# Altium PCB SDR_V21.PcbDoc (part 4 of 4)
Units mil, origin at the board's own origin, x right, y up, seen from the top; angles counter-clockwise.
Board outline 6000 x 4000 mil, 6 copper layers (Top Layer, DGND, Mid-Layer 2, Mid-Layer 3, Mid-Layer 4, Bottom Layer); 644 components, 321 nets, 2263 pads, 824 vias.
Unrouted connection lines stored in the file: 1227.
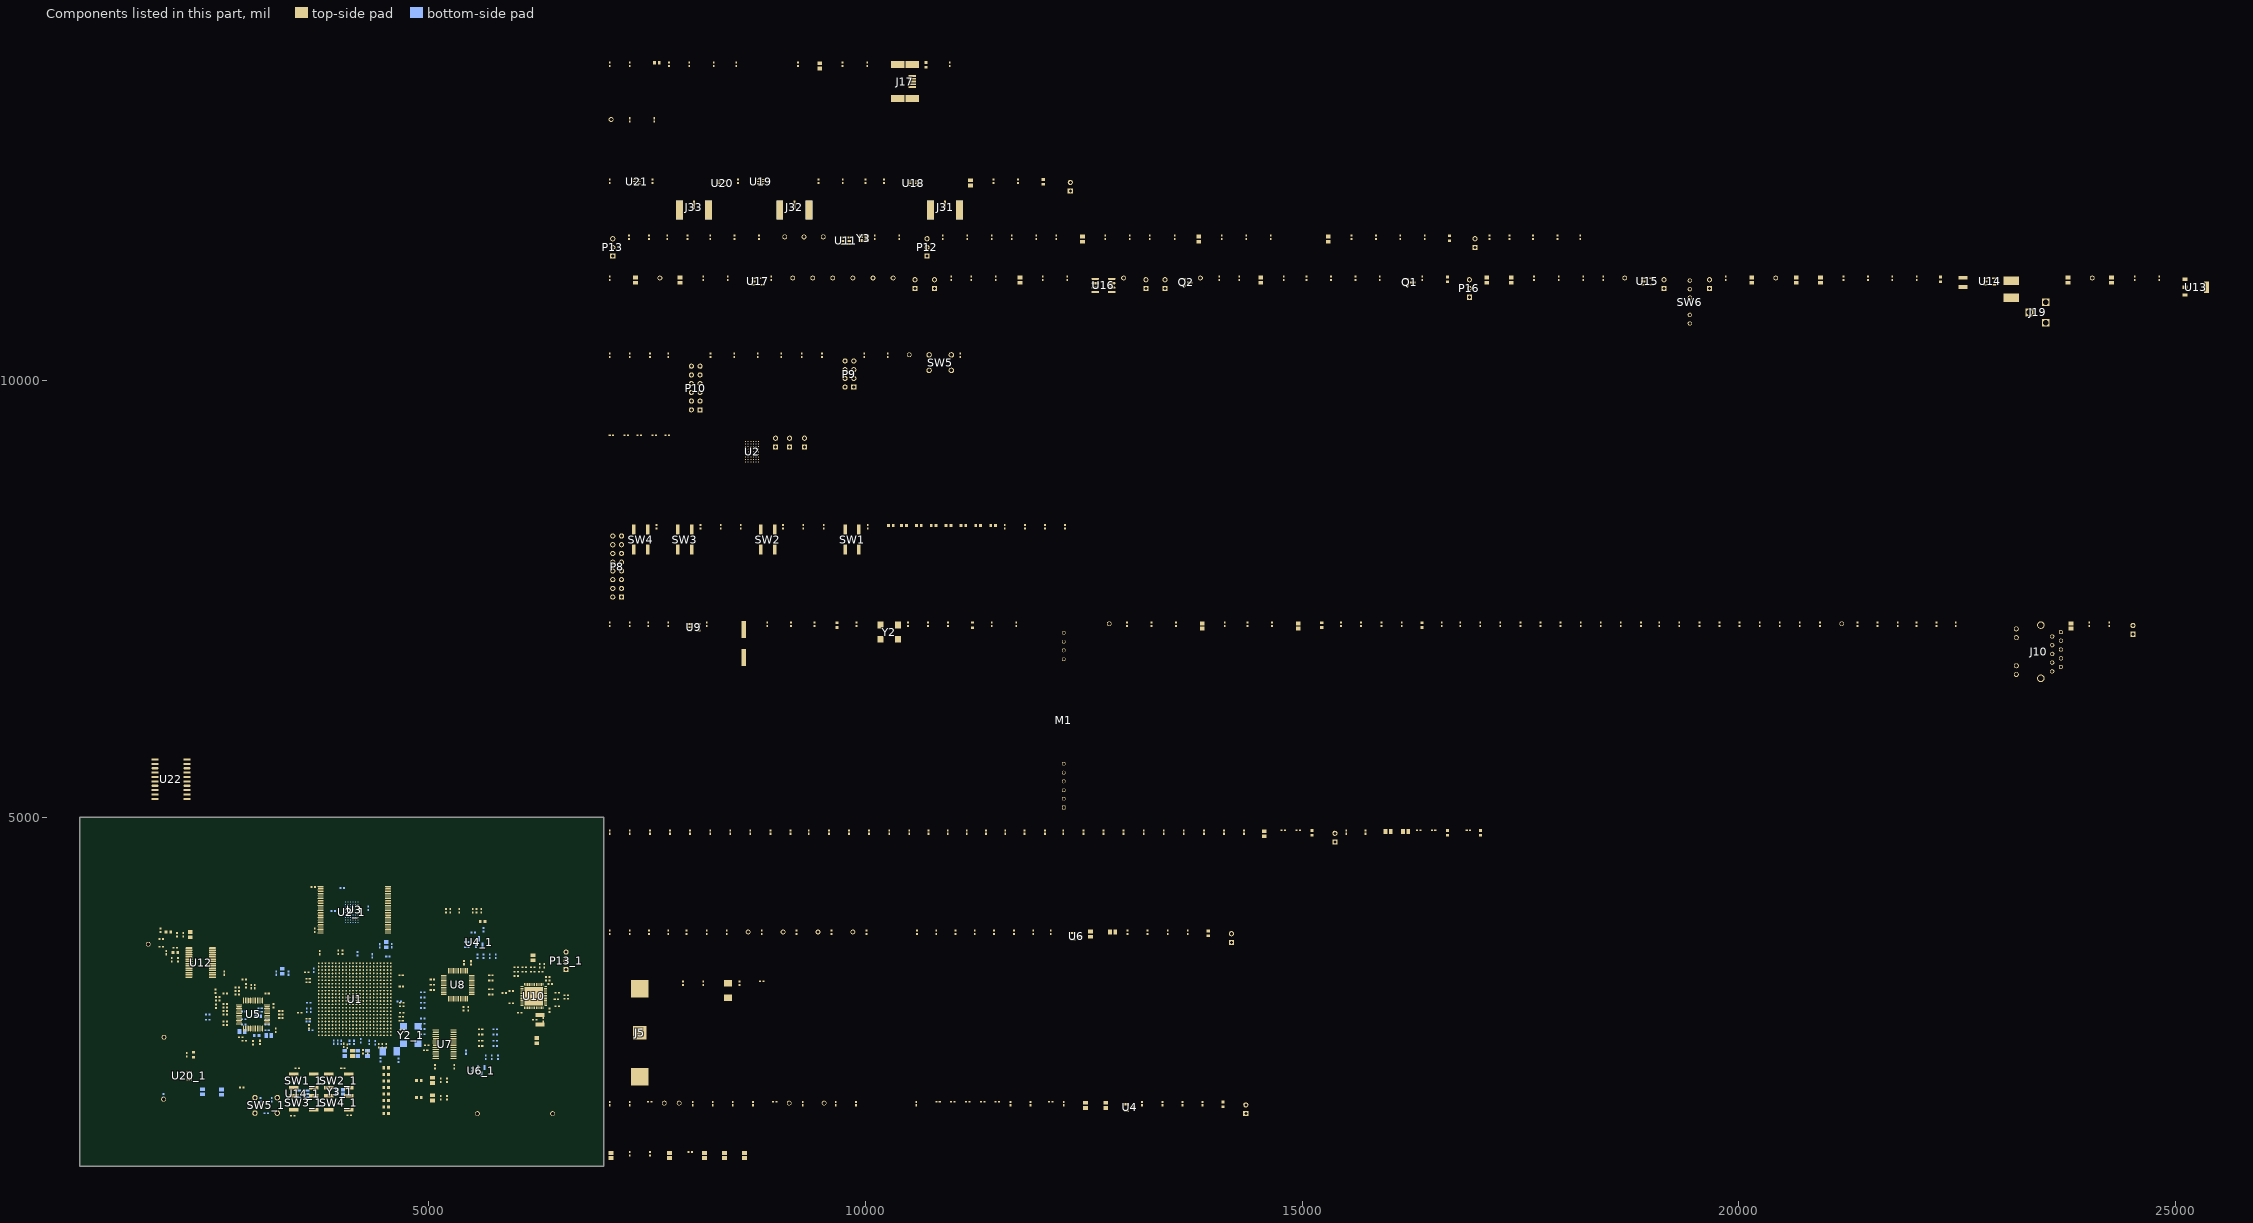
[diagram p8: the components of this part, seen from the top]

## Via types
v1: diameter 16, hole 6, Top Layer to Bottom Layer, 633 vias
v2: diameter 36, hole 20, Top Layer to Bottom Layer, 86 vias
v3: diameter 26, hole 16, Top Layer to Bottom Layer, 62 vias
v4: diameter 20, hole 10, Top Layer to Bottom Layer, 15 vias
v5: diameter 22, hole 12, Top Layer to Bottom Layer, 13 vias
v6: diameter 40, hole 20, Top Layer to Bottom Layer, 9 vias
v7: diameter 150, hole 125, Top Layer to Bottom Layer, 4 vias
v8: diameter 22, hole 10, Top Layer to Bottom Layer, 2 vias

## Nets (pads, with @x,y where several pads share a name; then routed paths per layer and width w, separated by ;. In a path a pad name is that pad's centre, name@x,y a point inside that pad or via, vN(x,y) a via of type N, cw(c..) or ccw(c..) an arc to the next point about the centre after c; other vN are vias at no path point) (continued)
copper on no net: (continued)
  Mid-Layer 2 w5: v1(2515,3115) 2515,2935 2555,2895 4355,2895 4365,2885 4365,2739.37 v1(4425.59,2678.78) ; 2535,3920 2421.5,3806.5 2421.5,2892.34 2438.84,2875 3145,2875 3205,2815 3885,2815 3894.09,2824.09 3894.09,2855.95 v1(3913.78,2875.63) ; 2735,3820 2735,3605 2710,3580 2485,3580 2445,3540 2445,2930 2490,2885 3630,2885 3678.74,2836.26 v1(3795.67,2836.26) ; 2935,3920 2985,3870 2985,3053.74 3103.74,2935 3776.3,2935 v1(3795.67,2954.37) ; v5(2950,2780) 2950,2735 3065,2620 3854.45,2620 v1(3874.41,2600.04) ; v5(2970,2830) 2950,2830 2930,2810 2930,2620 3010,2540 3855.71,2540 v1(3874.41,2521.3) ; v5(3005,2635) 3005,2610 3035,2580 3815.71,2580 v1(3835.04,2560.67) ; 3007.05,1788.58 3007.05,2312.95 2935,2385 2480,2385 2390,2475 2390,3950 2655.5,4215.5 4076.42,4215.5 4076.92,4215 4093.08,4215 4093.58,4215.5 4644.5,4215.5 4659.84,4200.16 v1(4659.84,3930.16) ; v1@3021,2465 v1(3021,2466) ; v5(3060,2845) 3055,2850 2885,2850 2870,2835 2870,2515 2885,2500 3813.74,2500 v1(3835.04,2521.3) ; 3235,3820 3315,3900 3315,3970 3290,3995 2910,3995 2890,3975 2890,3035 3006.13,2918.87 3878.28,2918.87 v1(3913.78,2954.37) ; v1(3247,2635.92) 3247,2646 3285,2684 3566.82,2684 3595.91,2654.91 3820.09,2654.91 3835.04,2639.96 v1(3835.04,2639.41) ; v1(3340,2600) v1(3685,2600) ; v1(3470,3100) 3480,3090 3610,3090 3645,3055 3778.19,3055 v1(3795.67,3072.48) ; v1(3505,3135) 3510,3130 3777.52,3130 v1(3795.67,3111.85) ; v1(3535,3030) 3574.5,2990.5 3716.42,2990.5 3731.92,2975 3855.67,2975 v1(3874.41,2993.74) ; v1(3535,3180) 3545,3170 3816.26,3170 v1(3835.04,3151.22) ; v1(3545,2455) 3490,2400 3490,2210 3515,2185 5580,2185 5610,2215 5610,2805 5585,2830 5460,2830 5435,2855 v1(5435,3030) ; v1(3570,2760) 3572.48,2757.52 v1(3756.3,2757.52) ; v1(3575,3070) 3609.5,3035.5 3626.42,3035.5 3646.92,3015 3777.56,3015 v1(3795.67,3033.11) ; v1(3675,2720) 3688.65,2733.65 3723.35,2733.65 3738.85,2718.15 v1(3756.3,2718.15) ; v1(3756.3,3229.96) 3771.8,3245.46 3771.8,3565 3786.8,3580 3865,3580 3880,3595 v1(3880,3895) 3880,4108.28 3952.22,4180.5 4161.42,4180.5 4200.5,4141.42 4200.5,3958.82 4174.29,3932.61 v1(4174.29,3925) ; v1(3757.52,2680) 3757.52,2692.48 3750,2700 3431.92,2700 3416.42,2715.5 3249.5,2715.5 3100,2865 2870,2865 2820,2815 2820,2520 3410.5,1929.5 5155.5,1929.5 5260,1825 6460,1825 6480,1845 6480,2795 6400,2875 6400,3023.9 v1(6401.1,3025) 6401.1,3258.9 v6(6385,3275) ; v1(3765,2005) 3765,2065 3780,2080 v1(4635,2080) ; v1(3795.67,2757.52) 3927.48,2757.52 3935,2750 3935,2230 3960,2205 5380,2205 5395,2220 v1(5395,2385) ; v1(3795.67,3190.59) 3795.67,3375.67 v1(3815,3395) ; v1(3835,3650) 3824,3661 3824,4149 v1(3840,4165) ; v1(3839.5,4140.5) 3839.5,4098.58 3860,4078.08 v1(3860,3610) ; v1(3874.41,3111.85) 3855,3131.26 3855,3540 3895,3580 3895,3886 3905,3896 v1(3905,3955) 3909.5,3959.5 3909.5,4123.64 3945.86,4160 4106.06,4160 4190.5,4075.56 4190.5,3978.34 4174.76,3962.61 v1(4174.76,3955) ; v1(3875,3505) 3895,3485 3895,3091.26 v1(3913.78,3072.48) ; v1(3915,3630) 3915,3700 ; v1(3915,3850) 3915,3700 ; v1(3925,3990) 3925,4125 3950,4150 4101.92,4150 4165.5,4086.42 4165.5,4073.58 4159.5,4067.58 4159.5,4000.26 v1(4175,3984.76) ; v1(3950.5,3379.5) 3950.5,3229.5 4015,3165 4015,3050 v1(4031.89,3033.11) ; v1(3960,3715) 3990.5,3745.5 3990.5,3830.5 v1(4085,3925) ; v1(4005,3730) 4029.5,3705.5 4311.42,3705.5 4327.42,3689.5 4384.5,3689.5 4395.79,3700.79 v1(4395.79,3890.79) ; v1(4020,2440) 4015,2445 4015,2545 4031.89,2561.89 v1(4031.89,2718.15) ; v1(4052.32,4107.32) 4085,4074.65 v1(4085,4013.82) ; v1(4055,3805) 4063.08,3805 4087.87,3780.21 4299.35,3780.21 4309.14,3790 v1(4320.5,3790) ; v1(4055,3835) 4030,3835 4025,3830 4025,3770 v1(4065,3730) 4077.19,3717.81 4325.27,3717.81 4343.58,3699.5 4356.42,3699.5 4375,3718.08 4375,3900 v1(4385,3910) ; v1(4065.5,2440) 4060,2440 4050,2450 4050,2539.41 v1(4071.26,2560.67) ; v1(4071.26,3229.96) 4090,3248.7 4090,3288 4111,3309 4111,3606 v1(4135,3630) ; v1(4085,3805) 4124.26,3805 4139.05,3790.21 4295.21,3790.21 4320.5,3815.5 v1(4320.5,3816.23) ; v1(4085,3835) 4122.37,3835 4167.87,3880.5 4278.15,3880.5 4336,3822.65 4336,3780.21 4320,3764.21 4320,3760 v1(4325,3755) ; v1(4085,3865) 4138.23,3865 4163.73,3890.5 4282.29,3890.5 4346,3826.79 4346,3719 v1(4350,3715) ; v1@4109,2358 v1(4111,2360) ; v1(4110.63,2600.04) 4149.96,2600.04 4170,2580 4170,2480 v1(4190,2460) ; v1(4110.63,3190.59) 4115.59,3190.59 4140,3215 4140,3385 4139.5,3385.5 4139.5,3577.58 4160,3598.08 4160,3650 4180,3670 4420,3670 4439.5,3689.5 4439.5,4097.58 4439,4098.08 4439,4124 v1(4440,4125) ; v1(4110.63,3229.96) 4110.63,3235.63 4126.13,3251.13 4126.13,3586.13 v1(4130,3590) ; v1(4144.76,3925) 4152.37,3925 4167.87,3909.5 4289.5,3909.5 4330,3950 v1(4385,3950) ; v1(4145,3984.29) 4145,4075 v1(4150,4080) v1@4150,4075 ; v1(4165,3535) 4163.87,3533.87 4163.87,3194.17 4206.82,3151.22 v1(4228.74,3151.22) ; v1(4165,3560) 4149.5,3544.5 4149.5,3520.8 4153.87,3516.43 4153.87,3190.03 4208.18,3135.72 4235.16,3135.72 4250.66,3151.22 v1(4268.11,3151.22) ; v1(4189.37,3190.59) 4173.87,3206.09 4173.87,3386.13 4180.5,3392.76 4180.5,3587.58 4179.5,3588.58 4179.5,3639.5 4199.5,3659.5 4454.5,3659.5 v1(4454.5,4104.5) ; v1(4189.37,3229.96) 4204.87,3245.46 4204.87,3295.13 4200,3300 v1@4200,3590 ; v1@4213.24,3633.24 4213.24,3324.2 v1(4228.74,3308.7) ; v1(4228.74,3229.96) 4250,3251.22 4250,3355 4229.5,3375.5 4229.5,3430.56 4245,3446.06 4245,3525 v1(4235,3535) v1@4235,3530 ; v1(4235,3590) 4235,3556.92 4255,3536.92 4255,3441.92 4244.5,3431.42 v1@4244.5,3390.5 ; v1(4250,2420) 4250,2770 4255,2775 4329.37,2775 v1(4346.85,2757.52) ; v1(4250,3635) 4265,3620 v1@4265,3410 ; v1(4255,3690) 3925,3690 3915,3700 ; v1(4268.11,3269.33) 4275.5,3276.72 4275.5,3634.5 v1(4275,3635) ; v1(4300,3590) 4307,3583 v1(4307,3347.59) ; v1(4307.48,2600.04) 4285,2577.56 4285,2355 v1(4345,2295) ; v1(4320,2160) 5960,2160 5985,2185 v1(5985,2730) ; v1(4330,3490) 4330,3325.55 v1(4346.85,3308.7) ; v1(4345,1945) 6015,1945 ; v1(4346.85,2718.15) 4405,2660 4405,2460 v1(4425,2440) ; v1(4360,3510) 4365.55,3504.45 4365.55,3290 v1(4386.22,3269.33) ; v1(4385,3380) 4385.5,3380.5 v1@4385.5,3504.5 ; v1(4386.22,2796.89) 4405,2815.67 4405,2845 4415.5,2855.5 5319.5,2855.5 v1(5325,2850) ; v1(4386.22,2993.74) 4444.96,2935 4658.08,2935 4663.58,2940.5 4704.5,2940.5 v1(4710,2935) ; v1(4386.22,3111.85) 4408.07,3090 4560,3090 4580,3070 v1(4835,3070) ; v1(4415,3695) v1(4415,4165) ; v1(4425.59,2796.89) 4482.48,2740 v1(5545,2740) ; v1(4425.59,3269.33) 4405,3289.92 4405,3625 4425,3645 v1(4480,3645) ; v1(4464.96,2560.67) 4494.33,2560.67 4505,2550 v1(4505,2445) ; v1(4464.96,3033.11) 4485,3013.07 4528.07,3013.07 4548.11,3033.11 4821.89,3033.11 4840.5,3014.5 4840.5,2944.5 v1(4850,2935) ; v1(4465,3150) 4485,3130 5120,3130 5165,3085 v1(5320,3085) ; v1(4465,4145) 4470,4140 v1(4470,3665) ; v1(4504.33,2796.89) 4526.22,2775 5240,2775 5250,2765 v1(5500,2765) ; v1(4504.33,2993.74) 4786.26,2993.74 4809.5,2970.5 4809.5,2890.5 v1(4825,2875) ; v1(4504.33,3308.7) 4504.33,3190.67 4525,3170 4725,3170 4755,3140 4905,3140 4935,3170 5110,3170 5155,3125 v1(5265,3125) ; v1(4505,3112.52) 5123.34,3112.52 5166.36,3069.5 5265.5,3069.5 5360,2975 v1(5385,2975) ; v1(4543.7,2796.89) 5186.89,2796.89 v1(5195,2805) ; v1(4544.37,3270) 4564.37,3250 5215,3250 5220,3245 v1(5220,3180) ; v1(4545,3230) 4565,3210 5160,3210 5205.5,3164.5 5264.5,3164.5 v1(5265,3165) ; v1(4590,2815) 5165,2815 5175,2825 v1(5245,2825) ; v1(4689,3310) 4694,3310 4694.5,3309.5 4694.5,3311.42 5175,3791.92 5175,3880 5200,3905 6375,3905 6400,3880 6400,3325 6470,3255 6570,3255 ; v1(4715,3370) 4730,3370 5155,3795 5155,3890 5185,3920 6395,3920 6430,3885 6430,3420 6495,3355 6570,3355 ; v1(4727.5,3397.5) 5135,3805 5135,3895 5175,3935 6405,3935 6470,3870 6470,3505 ; v1(4855,3190) 5145,3190 5190,3145 v1(5290,3145) ; v1(5965,2760) 5995,2760 6015,2740 6015,1945 ; v1(6175,1960) 6160,1945 6015,1945 ; v1(6285.9,2774) v1@6285.9,2774.1 ; v1(6470,2865) 6525,2810 6525,2780 v2(6515,2780)
  Mid-Layer 2 w6: v1(3935,3745) 3935,3777.63 3971,3813.63 3971,3954 4032,4015 v1(4055,4015)
  Mid-Layer 2 w8: v1(6445,3035) 6485,3075 6485,3125 v6(6455,3155)
  Mid-Layer 2 w10: v1(3839.5,3733.31) v1@3840.31,3733.31
  Mid-Layer 3 w5: 2535,3820 2535,2925 2575,2885 3165,2885 3209.55,2840.45 3717.37,2840.45 3731.92,2855 3895.04,2855 v1(3913.78,2836.26) ; 2935,3820 2935,2955 2980,2910 3800.67,2910 v1(3835.04,2875.63) ; 3135,3920 3180,3875 3180,3310 3495,2995 3740,2995 3760,2975 3816.3,2975 v1(3835.04,2993.74) ; 3585,2245 3640,2300 3640,2715 3665,2740 3773.82,2740 v1(3795.67,2718.15) ; 3585,2345 3535,2295 3535,2212 3553,2194 3811,2194 3835,2218 3835,2410 3893.26,2468.26 3893.26,2650.74 3884.26,2659.74 3816,2659.74 v1(3795.67,2639.41) ; v1(3680,3190) 3700,3170 3895,3170 v1(3913.78,3151.22) ; 3685,2245 3735,2295 3735,2380 3775,2420 3775,2658.11 v1(3795.67,2678.78) ; 3685,2345 3685,2380 3735,2430 3735,2690 3745,2700 3815,2700 3833.15,2718.15 v1(3835.04,2718.15) ; v1(3750,3385) 3750,3355 3796.3,3308.7 v1(3874.41,3308.7) ; v3(3765,1650) 4215,1650 4230,1665 4230,2565 4287.52,2622.52 4287.52,3210 v1(4307.48,3229.96) ; v1(3815,3395) 4225,3395 4260,3430 4635,3430 4685,3480 v1(4760,3480) ; v1(3815,3420) 4235,3420 4255.5,3440.5 4620.5,3440.5 4685,3505 5075,3505 5095,3485 5095,2599.96 5099.96,2595 v1(5132.48,2562.48) ; v1(3815,3450) 3815.5,3450.5 4605.5,3450.5 4685,3530 5090,3530 5120,3500 5120,2605 5150,2575 5150,2550 v1(5135,2535) ; v1(3815,3480) 3885.86,3480 3905.36,3460.5 4590.5,3460.5 4685,3555 5105,3555 5140,3520 5140,2615 5160,2595 5160,2530 v1@5140,2510 ; v1(3875,3505) 3909.5,3470.5 4575.5,3470.5 4685,3580 5120,3580 5160,3540 5160,2620 5170,2610 5170,2500 5155,2485 v1(5135,2485) ; v1@3915,3578.08 4065,3728.08 v1(4065,3730) ; v1(3955,3525) 3970.5,3509.5 4332.42,3509.5 4356.92,3485 4565,3485 4685,3605 5135,3605 5180,3560 5180,2811.92 5179.5,2811.42 5179.5,2798.08 5180,2797.58 5180,2480 5160,2460 v1(5135,2460) ; v1(4015,3605) 4045,3605 4220.5,3780.5 4220.5,3994.5 4200.71,4014.29 v1(4175,4014.29) ; v1(4030,3575) 4325,3870 v1(4325,4185) ; v3(4090,1705) 4090,3160 4100,3170 4247.52,3170 v1(4268.11,3190.59) ; v1(4135,3630) 4135,3655 4360,3880 v1(4360,4185) ; v1@4280,1869.5 4335,1814.5 5994.5,1814.5 6020,1840 v1(6020,3000) ; v1(4280,2015) 4695,2015 4765,2085 4765,2871.92 4840.5,2947.42 4840.5,3035.5 v1(4860,3055) ; v1(4345,1845) 4355,1855 5310,1855 5335,1880 5335,2340 v1(5360,2365) ; v1(4360,2120) 4362.35,2122.35 4362.35,2449.72 4351.04,2461.04 4351.04,2482.96 4365,2496.92 4365,3240 4375,3250 4430,3250 4445,3265 4445,3288.74 v1(4464.96,3308.7) ; v1(4425.59,2993.74) 4445,2974.33 4445,2665 4470,2640 v1(4615,2640) ; v1@4435,4125 v1(4440,4125) ; v1(4464.96,2993.74) 4443.7,3015 4415,3015 4405,3005 4405,2580 4445,2540 v1(4610,2540) ; v1(4480,3645) v1@4485,3645 ; v1(4505,3073.15) 4520.5,3088.65 4520.5,3370.5 4547.5,3397.5 v1(4727.5,3397.5) ; v1(4587.8,3052.8) 4624.7,3052.8 4635,3042.5 v1(4635,2080) ; v1(4670,2920) 4670,3325 v1(4715,3370) ; v1@4690,3310 4690,2930 4710,2910 4770,2910 v1(4825,2965) ; v1(4710,2935) v1(4710,3305) ; v1(4730,3425) 4760,3455 4935,3455 4953.5,3436.5 4953.5,2496.5 5010,2440 v1(5430,2440) ; v1(4735,3010) v1(4735,3325) ; v1(4760,3190) v1(4760,3345) ; v1(4785,3190) v1(4785,3365) ; v1(4810,3190) v1(4810,3385) ; v1(4835,3070) v1(4835,3405) ; v1(4860,3230) v1(4860,3425) ; v1(5010,2605) 5055.98,2650.98 v1(5055.98,3289.02) ; v1(5035,2655) v1(5035,3270) ; v1(5195,2805) v1(5195,3855) ; v1(5245,2825) v1(5245,3855) ; v1(5285,2585) 5285,3072.58 5284.5,3073.08 5284.5,3111.42 5310,3136.92 v1(5310,3480) ; v1(5325,2850) 5345,2870 v1(5345,3855) ; v1(5500,2765) v1(5500,3855) ; v1(5545,2740) v1(5545,3855)
  Mid-Layer 3 w6: v1(3895,3555) 3895,3730 3910,3745 v1(3935,3745)
  Mid-Layer 3 w12: v6(2910,2280) 2590,2280 2470,2400 2470,3965 2700,4195 3845,4195 3859,4181 3859,4156 v3(3875,4140)
  Mid-Layer 4 w5: v1(3675,3110) 3695,3090 3975,3090 v1(3992.52,3072.48) ; v1(3953.15,2678.78) v1(3992.52,2718.15) v1(4071.26,2639.41) ; v1(4020,2440) v1(4065.5,2440) 4085.5,2460 v1(4190,2460) 4403.66,2460 v1(4425.59,2481.93) ; v1(4071.26,2481.93) 4051,2502.19 4051,2619.15 v1(4071.26,2639.41) ; v1(4307.48,2560.67) v1(4346.85,2560.67) v1(4425.59,2481.93) ; v1(4346.85,2678.78) 4346.85,2639.41 ; 4445,2330 4445,2462.52 v1(4425.59,2481.93) ; v1(4464.96,2560.67) 4425.59,2560.67 4346.85,2639.41 ; v1(4071.26,2639.41) 4268.11,2639.41 v1(4307.48,2600.04) 4346.85,2639.41
  Mid-Layer 4 w8: v3@4928.04,3069 4957,3040.04 4957,2048 v4(4990,2015)
  Mid-Layer 4 w10: v1(4307.48,2954.37) 4346.85,2915 4386.22,2915 v1(4464.96,2836.26) ; v2(5290,2045) 5290,2050 5325,2085 5455,2085 5475,2105 v4(5475,2855) v4@5475,3237.83 ; v4(5478.58,3241.42) 5686.42,3241.42 5706,3261 5706,3346
  Mid-Layer 4 w12: 5706,3346 5706,3526 v4(5710,3530)
  Mid-Layer 4 w20: v6(2415,2275) 2414,2276 2414,2484 ; v6(2697.44,2347.56) 2948.44,2347.56 3545,1751 4484,1751 4601.96,1633.04 v2(4765,1633) v2(4765,1633) ; v2(3210,3240) 2590,3240 ; v1(4110,2915) v1(4070,2915) v1(4030,2915) 2414,2915 ; 4445,2330 4445,1951 4533.5,1862.5 5202.5,1862.5 v2(5290,1775) ; v1(4505,2445) 4935,2015 v4(4990,2015) v4(5165,2015) ; v2(4749,1789) 4749,1792 4748,1793 4289,1793 4225,1857 3597,1857 2970,2484 2414,2484 ; v2(4760,3705) 4730,3675 4730,3545 4645,3460 3867.53,3460 3824.53,3503 2853,3503 2590,3240 ; v2(5290,2045) 5880,2045 6230,2395 v4(6230,2515) 6230,2620 v4(6419.69,2809.69) ; 2414,2484 2414,2915 ; 2414,2915 2414,3064 2590,3240
  Bottom Layer w5: v3(2771.27,2608.73) v3@2775,2605 ; v5(2950,2780) 2950,3130 v5(2965,3145) ; v5(2970,2830) 2970,3095 v5(3005,3130) ; v1(3010,3270) 3209.5,3070.5 3330,3070.5 3505.5,2895 4355,2895 4365,2885 4365,2796.19 4416.19,2745 4440,2745 4583.07,2601.93 v1(4583.07,2560.67) ; 3084.69,2820 3090,2825.31 v5(3090,2845) v5@3090,2850 ; 3135.3,3819.7 3135.3,3185.3 3135.55,3185.3 3225.43,3095.43 3320.43,3095.43 3330.86,3085 3480.86,2935 3855.04,2935 v1(3874.41,2954.37) ; v1(3170,3055) 3310,3055 3320,3045 3320,1805 3330,1795 3355.47,1795 ; 3235,3920 3180,3865 3180,3185 3245,3120 3310,3120 3470.5,2959.5 3716.42,2959.5 3731.92,2975 3895.04,2975 v1(3913.78,2993.74) ; 3315,3275.43 3349.25,3275.43 3390,3234.68 3394.68,3230 v1(3420,3230) ; v1(3340,2600) 3340,2780 3345,2785 v1(3370,2785) ; 3355,1860.47 3355,2455 3355.5,2455.5 3355.5,2755 3366,2765.5 3394.5,2765.5 3445,2715 3640,2715 3665,2740 3891.93,2740 v1(3913.78,2718.15) ; v1(3375,2640) 3375,2565 3400,2540 3776.97,2540 v1(3795.67,2521.3) ; v1(3385,2740) 3385,2655 3420,2620 3855,2620 v1(3874.41,2639.41) ; 3394.69,3195 v1(3420,3195) ; v1(3410,2700) 3853.19,2700 v1(3874.41,2678.78) ; v1(3450,3005) 3450,4075 v1(3465,4090) ; v1(3470,3100) 3470,4055 v1(3480,4065) ; v1(3500,4045) 3489.5,4034.5 3489.5,3020.5 3516.26,2993.74 v1(3795.67,2993.74) ; v1(3505,3135) 3505,4015 v1(3520,4030) ; v1(3535,3030) 3535,3158.08 3519.5,3173.58 3519.5,3989.5 v1(3540,4010) ; v1(3535,3180) 3535,3970 v1(3555,3990) ; v1(3557,2666) 3589.31,2666 3595.32,2660 ; v1(3570,2760) 3580.32,2770.32 3600,2770.32 ; v1(3575,2561) 3576,2560 3625.32,2560 ; v1(3575,3070) 3575,3895 v1(3590,3910) ; v1(3575,3970) 3555,3950 3555,3030 3580.5,3004.5 3626.42,3004.5 3636.92,3015 3816.93,3015 v1(3835.04,3033.11) ; 3600,2809.69 3645,2809.69 3650.32,2815 3820,2815 3835.04,2830.04 v1(3835.04,2836.26) ; v1(3600,3070) 3600,3860 v1(3610,3870) ; 3605.32,2875 3624.37,2855.95 v1(3710.95,2855.95) ; v1(3620,3020) v1(3620,3815) ; 3634.69,2660 3816.26,2660 v1(3835.04,2678.78) ; v1(3635,2740) 3635,2745 3645,2755 3645,2770.32 ; 3644.69,2875 3645.31,2875.63 v1(3795.67,2875.63) ; v1(3650,3075) v1(3650,3775) ; 3665.35,2560.67 v1(3756.3,2560.67) ; 3675,3225.31 3675,3195 v1(3680,3190) ; 3675,3264.68 3680,3264.68 3682.2,3264.68 v1(3716.93,3229.96) ; v1(3685,2600) 3705,2580 3815,2580 v1(3835.04,2600.04) ; 3740.47,1955 3740.47,1980.47 v1(3765,2005) ; v1(3795.67,2560.67) 3815,2541.34 3815,2415 3885,2345 ; v1(3796.89,3150) 3815,3168.11 3815,3373.08 3799.5,3388.58 3799.5,3404.5 v1(3815,3420) ; v1(3815,3450) 3855,3410 3855,3131.81 v1(3835.04,3111.85) ; v1(3815,3480) 3895,3400 3895,3093.07 v1(3874.41,3072.48) ; v1@3833.74,2993.74 v1(3835.04,2993.74) ; v1(3855,4105) 3855,3710 3870,3695 4060,3695 4071.26,3683.74 v1(4071.26,3269.33) ; v1(3873,2405) 3873.31,2405.31 3910,2405.31 v1(3910,2385) ; v1(3874.41,2560.67) 3910,2525.08 3910,2444.69 ; 3885.32,3925 3885.32,3918.68 3917,3887 v1(3918,3887) 3952,3887 3975,3910 4041.18,3910 ; v1(3913.78,3033.11) 3935,3054.33 3935,3505 v1(3955,3525) ; 3924.69,3925 3939.21,3939.53 4041.18,3939.53 ; v1(3929,4190) 3985.32,4190 ; v1(3935,3815) 3935,3849 3979.88,3893.88 4167.81,3893.88 4181.21,3880.47 4188.82,3880.47 ; v1(3953.15,2678.78) 3970,2661.93 3970,2459.68 3955,2444.69 ; v1(3955,3835) 3955,3849 3986.47,3880.47 4041.18,3880.47 ; v1(3973.27,4048.27) 3973.27,4015 4003.27,3985 4054.76,3985 4070.71,3969.06 ; v1(3975,3795) 3975,3845.94 3980,3850.94 4041.18,3850.94 ; v1(3975,3990) 3995,3970 4040.24,3970 ; v1(3975,4085) 4000,4085 4005,4080 4005,4005 4011.42,3998.58 4041.18,3998.58 ; v1(3992,2359) 3992,2397.31 ; 3995,2439.69 4015,2459.68 4015,2740.63 v1(4031.89,2757.52) ; v1(4005,3730) 4005,3815 4011.42,3821.42 4041.18,3821.42 ; v1(4015,3605) 4014.5,3604.5 4014.5,3547.36 4031.89,3529.97 v1(4031.89,3269.33) ; 4025,4189.69 4025,4044.29 4041.18,4028.11 ; 4035,2324.53 4050,2339.53 4050,2657.52 v1(4071.26,2678.78) ; v1(4055,3805) 4070.71,3820.71 4070.71,3821.42 ; v1(4055,3835) 4055,3835.24 4070.71,3850.94 ; v1(4055,3865) 4070.47,3880.47 4070.71,3880.47 ; v1(4055,3925) 4070,3910 4070.71,3910 ; v1(4055,3955) 4055.24,3955 4070.71,3939.53 ; v1@4055,4014.29 v1(4055,4015) ; 4070,4028.82 v1(4070,4200) ; v1(4085,3805) 4100.24,3820.24 4100.24,3821.42 ; v1(4085,3835) 4085,3835.71 4100.24,3850.94 ; v1(4085,3865) 4100.24,3880.24 4100.24,3880.47 ; v1(4085,3925) 4085.24,3925 4100.24,3910 ; v1(4085,3955) 4085,3954.76 4100.24,3939.53 ; v1(4085,3985) 4100.24,3969.76 4100.24,3969.06 ; v1(4085,4013.82) 4100.24,3998.58 ; 4090,2439.69 4090,2736.89 v1(4110.63,2757.52) ; v1(4090,3490) 4125.31,3454.68 4180,3454.68 ; v1(4100,4200) 4100,4190 4100.24,4189.76 4100.24,4028.11 ; 4100.24,3791.89 4100,3791.65 4100,3685 4110.5,3674.5 4284.5,3674.5 4289.5,3679.5 4289.5,3696.42 4298.58,3705.5 4311.42,3705.5 4320.5,3696.42 4320.5,3664.5 4340,3645 v1(4480,3645) ; v1(4111,2360) 4111,2379.32 4090,2400.32 4140,2400.32 ; v1(4121.69,3733.31) 4116.36,3738.64 4116.36,3856.5 4129.76,3869.9 4129.76,3880.47 ; v1@4129.76,3755.24 4129.76,3791.89 ; 4129.76,3821.42 v1(4145,3806.18) ; 4129.76,3850.94 v1(4145,3835.71) ; 4129.76,3910 v1(4144.76,3925) ; 4129.76,3939.53 v1(4145,3954.76) ; 4129.76,3969.06 v1(4145,3984.29) ; 4129.76,3998.58 4129.76,4009.15 4114.5,4024.42 4114.5,4179.5 4120,4185 4135,4185 v1(4155,4165) ; 4130,4028.35 v1(4130,4165) ; 4140,2439.69 4140,2747.52 v1(4189.37,2796.89) ; v1@4159.29,3750.71 4159.29,3791.89 ; 4159.29,3821.42 v1(4175,3805.71) v1@4175.41,3805.3 ; 4159.29,3850.94 v1(4175,3835.24) ; 4159.29,3880.47 v1(4174.76,3865) 4265,3865 4280,3850 4280,3715 v1(4255,3690) ; 4159.29,3910 v1(4174.29,3925) ; 4159.29,3939.53 v1(4174.76,3955) ; 4159.29,3969.06 v1(4175,3984.76) ; 4159.29,3998.58 v1(4175,4014.29) ; 4159.29,4028.11 4170.5,4039.32 4170.5,4180.5 4195,4205 4340,4205 v1(4360,4185) ; 4170,2339.53 4170,2705 4183.15,2718.15 v1(4268.11,2718.15) ; 4180,3415.31 4189.37,3405.94 v1(4189.37,3269.33) ; 4188.82,3821.42 4241.42,3821.42 v1@4244.5,3824.5 ; 4188.82,3850.94 4198.16,3841.6 4252.52,3841.6 4261.6,3832.52 4261.6,3751.6 v1(4260,3750) ; 4188.82,3939.53 4200.47,3939.53 4205,3935 v1(4205,3930) ; 4188.82,3969.06 4230.5,4010.74 ; 4188.82,3998.58 4225,4034.76 4224.5,4035.26 v1@4224.5,4144.5 ; 4188.82,4028.11 4188.82,4153.82 4220,4185 v1(4325,4185) ; v1(4190,2460) 4219.69,2460 ; v1(4192,2420) 4192.31,2420.32 4220,2420.32 ; v1(4228.74,3269.33) 4210,3288.07 4210,3474.5 v1(4229.5,3494) ; 4230.74,4010.74 4230.5,4010.74 ; v1(4240,4130) 4239.76,4129.76 4239.76,4020 4230.5,4010.74 ; 4285,2334.53 4285,2695.67 v1(4307.48,2718.15) ; v1(4305,3690) 4305,3616.92 4284.5,3596.42 4284.5,3292.31 v1(4307.48,3269.33) ; 4305,3935.32 4305,3899 v1(4309,3895) ; v1(4307.48,2757.52) 4330,2735 4330,2496.92 4342.67,2484.25 4342.67,2467.35 4315,2439.69 ; v1(4315,2361) 4315,2400.32 ; v1(4346.85,2333.15) 4456.14,2333.15 ; v1(4346.85,2678.78) 4370,2655.63 4370,2540 4385,2525 4385,2434.69 ; v1(4346.85,3151.22) 4330,3168.07 4330,3370.32 4350,3390.31 4435,3475.31 4435,3505.31 ; 4350,3429.68 4406,3485.69 4406,3515.69 4435,3544.68 4459.84,3569.53 4510,3569.53 v1(4510,3646) ; 4385,2395.32 4506.31,2395.32 v1(4541.31,2360.32) ; v1(4386.22,3033.11) 4409.33,3010 v1(4735,3010) ; v1(4386.22,3151.22) 4405,3170 4405,3375 4435,3405 v1(4460,3405) ; v1(4425.59,2521.3) 4445,2501.89 4445,2445 4465.31,2424.69 4720,2424.69 ; v1(4425.59,3111.85) 4445.28,3131.54 4775,3131.54 4810,3166.54 v1@4810,3185 ; v1(4425.59,3190.59) 4445,3210 4840,3210 v1(4860,3230) ; v1(4425.59,3308.7) 4425.59,3365.59 4440,3380 4485.31,3380 4510.31,3405 ; 4445,2239.69 4445,2295.71 ; v1(4464.96,2836.26) 4486.22,2815 4560,2815 v1(4619.5,2755.5) ; v1(4464.96,2875.63) 4480.46,2891.13 4639.19,2891.13 4640.31,2890 ; v1(4465,3111.89) 4486.89,3090 4530,3090 4550,3110 4550.5,3109.5 5295.5,3109.5 v1(5300,3105) ; v1(4465,3269.37) 4470.63,3269.37 4490,3250 4895,3250 4910,3235 4910,3225 4875,3190 v1(4855,3190) ; v1(4504.33,3151.22) 4506.22,3151.22 4525,3170 4730,3170 4750,3150 4775,3150 4785,3160 v1(4785,3190) ; v1(4505,3033.78) 4816.22,3033.78 v1(4860,2990) 4865,2995 4898.03,2995 ; 4549.69,3405 4549.69,3381.46 v1(4583.07,3348.07) ; v1(4550,2260) 4570.71,2260 4630.71,2320 ; v1(4610,2540) 4630,2540 4670,2500 4883.03,2500 4898.03,2515 ; v1(4615,2640) 4645,2670 4798.08,2670 ; v1(4625,3090) 5270,3090 v1(5365,2995) ; 4650,2234.69 4650,2300.71 ; v1(4660,1605) 4785,1605 5115,1935 5115,2980 5100,2995 4957.09,2995 ; v1(4660,1680) 4785,1680 5095,1990 5095,2915 5075,2935 4957.09,2935 ; v1(4660,1755) 4785,1755 5075,2045 5075,2860 5060,2875 4957.09,2875 ; v1(4660,1830) 4760,1830 5050,2120 5050,2647.58 5050.5,2648.08 5050.5,2799.5 5035,2815 4957.09,2815 ; v1(4660,1905) 4760,1905 5030,2175 5030,2622.09 4957.09,2695 ; v1(4660,1980) 4710,1980 5010,2280 5010,2574 4994.5,2589.5 4994.5,2630.5 4990,2635 4957.09,2635 ; v1(4660,2055) 4715,2055 4990,2330 4990,2560 4975,2575 4957.09,2575 ; v1(4660,2130) 4957.09,2427.09 4957.09,2515 ; 4679.69,2890 4698.69,2871 v1(4740,2871) ; v1(4785,2520) 4785,2582.68 ; 4800,2668.08 4893.08,2575 4898.03,2575 ; v1(4825,2875) 4898.03,2875 ; v1(4830,2695) 4898.03,2695 ; v1(4850,2840) 4875,2815 4898.03,2815 ; v1(4850,2935) 4898.03,2935 ; v1(4855,2635) 4898.03,2635 ; v1(5985,2730) 6280,2730 v1(6310,2760)
  Bottom Layer w6: v1@4055,4014.29 4070.71,3998.58
  Bottom Layer w8: v1(5374.5,2312.5) 5404.56,2282.44 5425,2282.44 ; v3(5980.31,3320.68) 6229.31,3320.68 6245,3305 6245,3115 6268,3092 v3(6456,3092)
  Bottom Layer w10: 1833.94,2852.01 1831.93,2854.02 1831.93,2941.93 1962.28,3072.28 2402.28,3072.28 2420,3054.57 2420,2920 v5(2500,2840) ; 2215,2680 2437.44,2680 2437.44,2740 ; 2315,2730 2427.44,2730 2437.44,2740 ; v8(2380,1750) 2451.81,1750 2477.6,1775.79 ; v5(2600,2660) v5(2600,2740) ; v2@2899.69,2730.31 2899.69,2775 ; 2900,2555.16 2900,2685 v2(2900,2730) 2890,2740 v5(2600,2740) ; 3007.05,1788.58 3010.94,1784.69 3070,1784.69 3200,1784.69 3259.06,1784.68 3262.95,1788.58 ; 3154.69,1610 3261.54,1610 ; 3164.68,2625 3164.68,2680 v3@3202.68,2680 ; 3955,2405.32 3955,2331 v3(3978,2308) 4020.53,2265.47 4035,2265.47 4185,2265.47 4295,2265.47 4360.16,2200.32 4445,2200.32 ; 4188.82,3910 4220,3910 4225,3915 4225,3965 4240,3980 4305,3980 ; 4305,3974.69 v2@4609.69,3974.69 ; 4435,3505.31 4440.16,3510.47 4510,3510.47 4572.91,3510.47 ; 4450,2195.32 4650,2195.32 ; v1(4541.31,2360.32) 4541.31,2372.32 4554.31,2385.32 4720,2385.32 ; v3(4682,2611) 4682,2572 4692,2562 4718.32,2562 4720,2560.32 ; v4(5367.48,2337.48) 5424.92,2337.48 ; 5425,2337.56 5477.44,2337.56 5490,2325 5490,2137.56 ; 5560,3385.32 5560,3090 v2(5600,3050) ; v2(5600,2940) 5670,2940 5765,3035 5765,3375.47 ; v2(5600,3110) 5695,3205 5695,3375.47 ; v2(5600,3210) 5625,3235 5625,3375.47 ; 5637.4,2132.4 5637.4,2217.72 5650,2230.32 ; 5650,2269.69 5790,2269.69 ; v3(5680,2365) 5695,2380 5730.47,2380 ; v3(5680,2455) 5695,2440 5730.47,2440 ; v3(5680,2495) 5695,2510 5730.47,2510 ; v3(5680,2585) 5695,2570 5730.47,2570 ; 5720,2230.31 5839.69,2230.31 v2(5849,2221) ; v4(5835,3147) 5853.42,3128.58 5875,3128.58 cw(c5895,3116.78) 5915,3128.58 ccw(c5935,3128.89) 5955,3128.58 v1(6111.42,3128.58) ; v4(5835,3173) 5841.53,3173 5859.53,3155 v1(6110,3155) ; 2437.44,2740 2437.44,2767.44 2450,2780 2560,2780 v5(2600,2740)
  Bottom Layer w12: 2135,1560.32 2185,1560.32 2235,1560.32 2285,1560.32 2335,1560.32 ; v3(2405,1790) 2405,1824.68 2410.32,1830 2500,1830 2515,1815 2515,1775.79 ; 2415,1675 2535,1675 2552.4,1692.4 2552.4,1775.79 ; 2474.53,1588.53 2474.53,1570 2633,1570 v3(2637,1574) ; 2492.56,2740 2492.56,2600.56 2493.12,2600 v3(2494,2600) ; 2553.19,1730.79 2687.6,1730.79 2687.6,1660 ; 2589.53,2070 2584.68,2074.84 2584.68,2165 2584.68,2245 v3(2635,2245) ; v3@2625,1784 2625,1830.32 ; 2625,1869.69 2647.13,1869.69 2687.6,1829.21 ; 2705.47,1580 2687.6,1597.87 2687.6,1660 ; 2725,1730.79 2725,1781 v3(2726,1782) ; 2744.68,2079.84 2744.68,2165 2744.68,2245 ; v3(2752.56,2012.56) 2754.53,2014.53 2754.53,2070 ; 2762.4,1730.79 2762.4,1667.4 2755,1660 2687.6,1660 ; 2764.53,1580 v3(2909,1580) ; v3(2776,2545) 2830.79,2545 ; v6(2785,2435) 2839,2435 2888,2484 2888,2543.16 2889.84,2545 ; 2844.05,2558.26 2830.79,2545 ; 2860.32,2775 2860.32,2779.32 v3(2896.42,2815.42) ; 2860.63,2685 2860.63,2625.31 2860.32,2625 2855,2625 2830.79,2600.79 2830.79,2545 ; 2997.44,2500 2997.44,2393.44 3030.88,2360 v2(3031,2360) ; v3(3006,2769) 3044.32,2769 3045.32,2770 3045.32,2810 ; 3007.05,1611.42 3007.05,1597.95 3050,1555 3206.54,1555 3261.54,1610 ; 3070,1745.32 v3(3115.32,1700) 3115.32,1610 ; 3072.56,2720 3084.69,2732.13 3084.69,2770 3084.69,2810 ; v2(3075,2655) 3095.32,2655 3125.31,2625 ; 3125.31,2510.16 3125.31,2560 3125.31,2625 ; 3125.31,2680 3125.31,2625 ; 3164.68,2625 3164.68,2560 3193,2531.69 3193,2501.53 3194.53,2500 ; 3200,1745.31 3245.31,1700 3295,1700 3330,1665 3330,1610 v2@3355,1585 ; 3249.68,3195 3320,3195 3390,3195 ; 3445,1992.56 3500.56,1992.56 v3(3501,1993) ; v3(3604,1723) 3604.21,1723.21 3604.21,1792.6 ; 3625,1992.56 3680.56,1992.56 v3(3681,1993) ; v3(3875,4140) 3895,4120 3950,4120 3950,3965 3924.69,3939.69 3924.69,3925 ; 3880,1772.32 3967.32,1772.32 3970,1775 v3(3970,1780) ; 4175,1957.56 v3(4175,1999) ; 4205,2334.53 v3(4205,2380) ; 4720,2424.69 4787.64,2424.69 ; 4720,2599.69 4777.99,2599.69 ; 5407.44,3510 5405.47,3511.97 5405.47,3720.47 5422.56,3737.56 5657.44,3737.56 v2(5727,3668) ; v2(5488,1997) 5490,1999 5490,2082.44 ; 5575,3607.4 5575,3733.56 ; 5600,2057.6 5600,1995 v2(5601,1994) ; 5625,3682.44 5625,3650 5612.4,3637.4 5612.4,3532.6 5707.4,3532.6 v4(5710,3530) ; 5788.03,2279.53 5788.03,2440 5788.03,2568.5
  Bottom Layer w20: 2135,1560.32 2127.13,1552.44 1992.52,1552.44 1960,1584.96 1960,1660 1975,1675 2105,1675 2135,1705 2170.47,1705 ; 2135,1599.69 2335,1599.69 ; 2405.47,1874.21 2477.6,1874.21 ; v6(2415,2275) 2515.31,2275 2545.31,2245 2545.31,2165 2530.47,2150.16 2530.47,1949.53 2552.4,1927.6 2552.4,1874.21 ; v6(2697.44,2347.56) 2697.44,2245 2697.44,2165 2697.44,2070 2697.44,1942.56 2762.4,1877.6 2762.4,1829.21 ; 2889.84,2545 2934.84,2500 2997.44,2500 ; v2(2900,2730) 2910,2720 3017.44,2720 ; 3052.56,2500 3135.47,2500 ; v2(3210,3240) 3244.69,3240 ; v2@3355,1585 v2(3360,1580) ; 3419.53,1795 3421.93,1792.6 3455,1792.6 ; 3419.53,1865 3455,1829.53 3455,1792.6 ; 3440,1937.44 3505,1937.44 ; 3505.79,1792.6 3455,1792.6 ; 3505.79,1867.4 3505.79,1933.35 ; 3560,1937.56 v2(3560,2135) ; 3565,1937.44 3625,1937.44 ; 3604.21,1830 3680.47,1830 3740.47,1890 ; 3799.53,1890 3837.32,1890 3880,1932.68 3862.32,1932.68 3840,1955 3799.53,1955 ; v2(3935,2125) 3940,2120 3940,2072.68 4110.24,1902.44 4175,1902.44 4175,1814.53 ; 4045,2334.53 4205,2334.53 4285,2334.53 ; 4091.85,1755.47 4175,1755.47 ; 4575,3549.69 4575,3660 4620,3705 v2(4760,3705) ; v2(5290,2045) 5310,2045 5402.56,2137.56 5490,2137.56 5557.44,2137.56 ; 5475.47,3680 5475.47,3580.94 5462.56,3568.03 5462.56,3461.97 5485,3439.53 5760,3439.53 ; 5534.53,3535.67 5534.53,3680
  Bottom Layer w25: 1841.89,1770 1841.89,1855.89 1849.15,1863.15 1960,1863.15 ; 2050,2530 2315,2530 ; 2229.53,1705 v6(2310,1705) 2385,1705 2415,1675 2415,1570.47 ; 2335,1599.69 2335,1705
  Bottom Layer w30: 5395,1627.09 5402.32,1619.76
  Bottom Layer w40: 2229.53,1705 2229.53,1796.1 2255,1821.57
  Bottom Layer w50: 1940,1975 1940,2110 1960,2130 2235,2130 2255,2110 2255,2018.43 ; 1960,1756.85 2064.96,1756.85 2078.11,1770 2078.11,1936.89 2040,1975 ; 2085.08,2394.96 2085.08,2491.43 2003.52,2572.99 2003.52,2837.01 2057.99,2891.48 2057.99,2987.95 2085.08,3015.04
  other v1: 4280,1870 4150,2795 4150,2835 4150,2875 4150,2915 4190,2915 4230,2915 4270,2915 4150,2955 3710,2975 4150,2995 4150,3035 4031.89,3190.59 3970,3355 4090,3355 4135,3750 4160,3750
  other v2: 4975,1555 4975,1615 5395,1775 5800,1785 6225,1785 6595,1805 5497,1875 5890,1890 6285,1890 6595,1905 5975,1995 6345,2010 6070,2095 5743,2121 6595,2205 6595,2305 6235,2325 5857,2333 6595,2405 5858,2461 6595,2505 6055,2525 6385,2570 6595,2605 5931,2684 6595,2705 6425,2745 6595,2780 6140,2890 6200,2890 6260,2890 6140,2950 6200,2950 6260,2950 6140,3010 6200,3010 6260,3010 6525,3105 5400,3110 6525,3185 5885,3205 5885,3305 5885,3405 5885,3505 5985,3505 6085,3505 6185,3505
  other v3: 3215,2679
  other v7: 6565,2040 1880,2230 6545,3985 2410,4145

## Polygon pours and split planes (outlines as drawn)
no net on Mid-Layer 4 "Top Layer-No Net" (solid, pour order 11): 5835,3780 5835,1730 5760,1655 4885,1655 4885,1555 4910,1530 6590,1530 6635,1575 6635,3780 6585,3830 5885,3830
no net on Mid-Layer 4 "Top Layer-No Net" (solid, pour order 12): 3985,3080 3985,2750 4315,2750 4315,3080
no net on Mid-Layer 4 "Top Layer-No Net" (solid, pour order 14): 1685,4180 1685,1630 1735,1580 4810,1580 4860,1630 4860,2330 4885,2355 5160,2355 5160,2655 5185,2680 5535,2680 5535,4205 5485,4255 4210,4255 4160,4205 4160,3105 4340,3105 4340,2730 3960,2730 3960,3105 4160,3105 4160,4205 4115,4250 1755,4250
no net on Top Overlay "Top Layer-No Net" (none): 1715,3805 1715,3869 1763,3869 1764,3870 1764,3948 1704,3948 1704,4053 1763,4053 1763,4133 1722.45,4133 1722.45,4197 1891,4197 1971,4053 2036,4053 2107,4197 2275,4197 2275,4133 2243,4133 2243,4053 2294,4053 2294,3948 2243,3948 2243,3869 2283,3869 2283,3805 2107,3805 2107,3869 2155,3869 2155,3947 2080,3947 1999,3813 1927,3948 1852,3948 1852,3867 1892,3867 1892,3805
no net on Top Overlay "Top Layer-No Net" (none): 1704,4053 1704,3948 2294,3948 2294,4053
no net on DGND "Top Layer-No Net" (solid, pour order 15): 4879,1505 4879,2101 4844,2136 3981,2136 3885,2232 3885,2753 4432,2753 4445,2740 4445,2624 4917,2624 4968,2573 4968,2377 4996,2349 5278,2349 5535,2605 5535,4205 5485,4255 5484,4254 1541,4254 1540,1526 1561,1505
no net on DGND "Top Layer-No Net" (solid, pour order 13): 3910,2725 3910,2405 3960,2355 3960,2230 4035,2155 4885,2155 4935,2105 4935,1506 6676,1505 6675,3785 6625,3835 5685,3835 5685,2730 5635,2680 5335,2370 5295,2330 4985,2330 4950,2365 4950,2565 4910,2605 4430,2605 4430,2680 4385,2725
no net on Top Layer "Top Layer-No Net" (solid, pour order 17): 5835,3530 6635,3530 6635,1505 5324,1505 5324,1740 5835,2251
no net on Top Layer "Top Layer-No Net" (solid, pour order 18): 2405,1750 2405,1945 2465,2005 2670,2005 2730,1945 2730,1750
no net on Bottom Layer "Top Layer-No Net" (solid, pour order 16): 5835,3530 6635,3530 6635,1505 5324,1505 5324,1740 5835,2251

## Silkscreen, mask and mechanical layers (free items; w line width, h text height)
Top Overlay:
  text "SDR Integ. Board" at 5710,4155 h60
  text "Rev. 01" at 5710,4055 h60
  text "MICHIGAN" at 1782,3972 h60
  text "Kuo, 09/19/11" at 5710,3955 h60
  text "JTAG" at 4905,3910 h60
  text "CS" at 6435,3780 h60
  text "Fabric_IO" at 2600,3685 h60
  text "SCLK" at 6435,3680 h60
  text "DIN" at 6435,3580 h60
  text "LD" at 6350,3300 h30
  text "Q+" at 5580,3240 h30
  text "CLK" at 6490,3135 h30
  text "I+" at 5580,2880 h30
  text "RSSI" at 6475,2720 h30
  text "Q-" at 5665,2610 h30
  text "3.3" at 2510,2370 h60
  text "2.5" at 2805,2355 h60
  text "I+" at 5660,2315 h30
  text "1.8" at 2945,2255 h60
  text "1.5" at 2355,2215 h60
  text "MSS_IO" at 3640,2135 h40
  text "2.85" at 2740,2105 h60 r90
  text "GND" at 1645,2065 h60 r90
  text "VIN" at 1915,2045 h60
  text "RST" at 3050,1850 h60
  text "5V" at 1550,1845 h60
  text "RX" at 5435,1745 h60
  text "TX" at 6440,1745 h60
  text "5" at 2230,1675 h60
  text "SW1 2" at 3675,1570 h30
  text "3 4" at 3730,1520 h30
  text "LED0" at 4420,1520 h48

## Text inside footprints (layer, text, board x,y; h text height)
P8: Top Overlay "2" at 7125,7420 h50 r90; Top Overlay "1" at 7225,7420 h50 r90; Top Overlay "15" at 7225,8280 h50 r90; Top Overlay "16" at 7125,8280 h50 r90
P9: Top Overlay "2" at 9785,9825 h50 r90; Top Overlay "1" at 9885,9845 h50 r90; Top Overlay "7" at 9885,10285 h50 r90; Top Overlay "8" at 9785,10285 h50 r90
P10: Top Overlay "12" at 8025,10245 h50 r90; Top Overlay "1" at 8125,10285 h50 r90; Top Overlay "1" at 8125,10245 h50 r90; Top Overlay "1" at 8125,9565 h50 r90; Top Overlay "2" at 8025,9565 h50 r90